# Altium PCB Srt.PcbDoc (part 1 of 2) (continued)
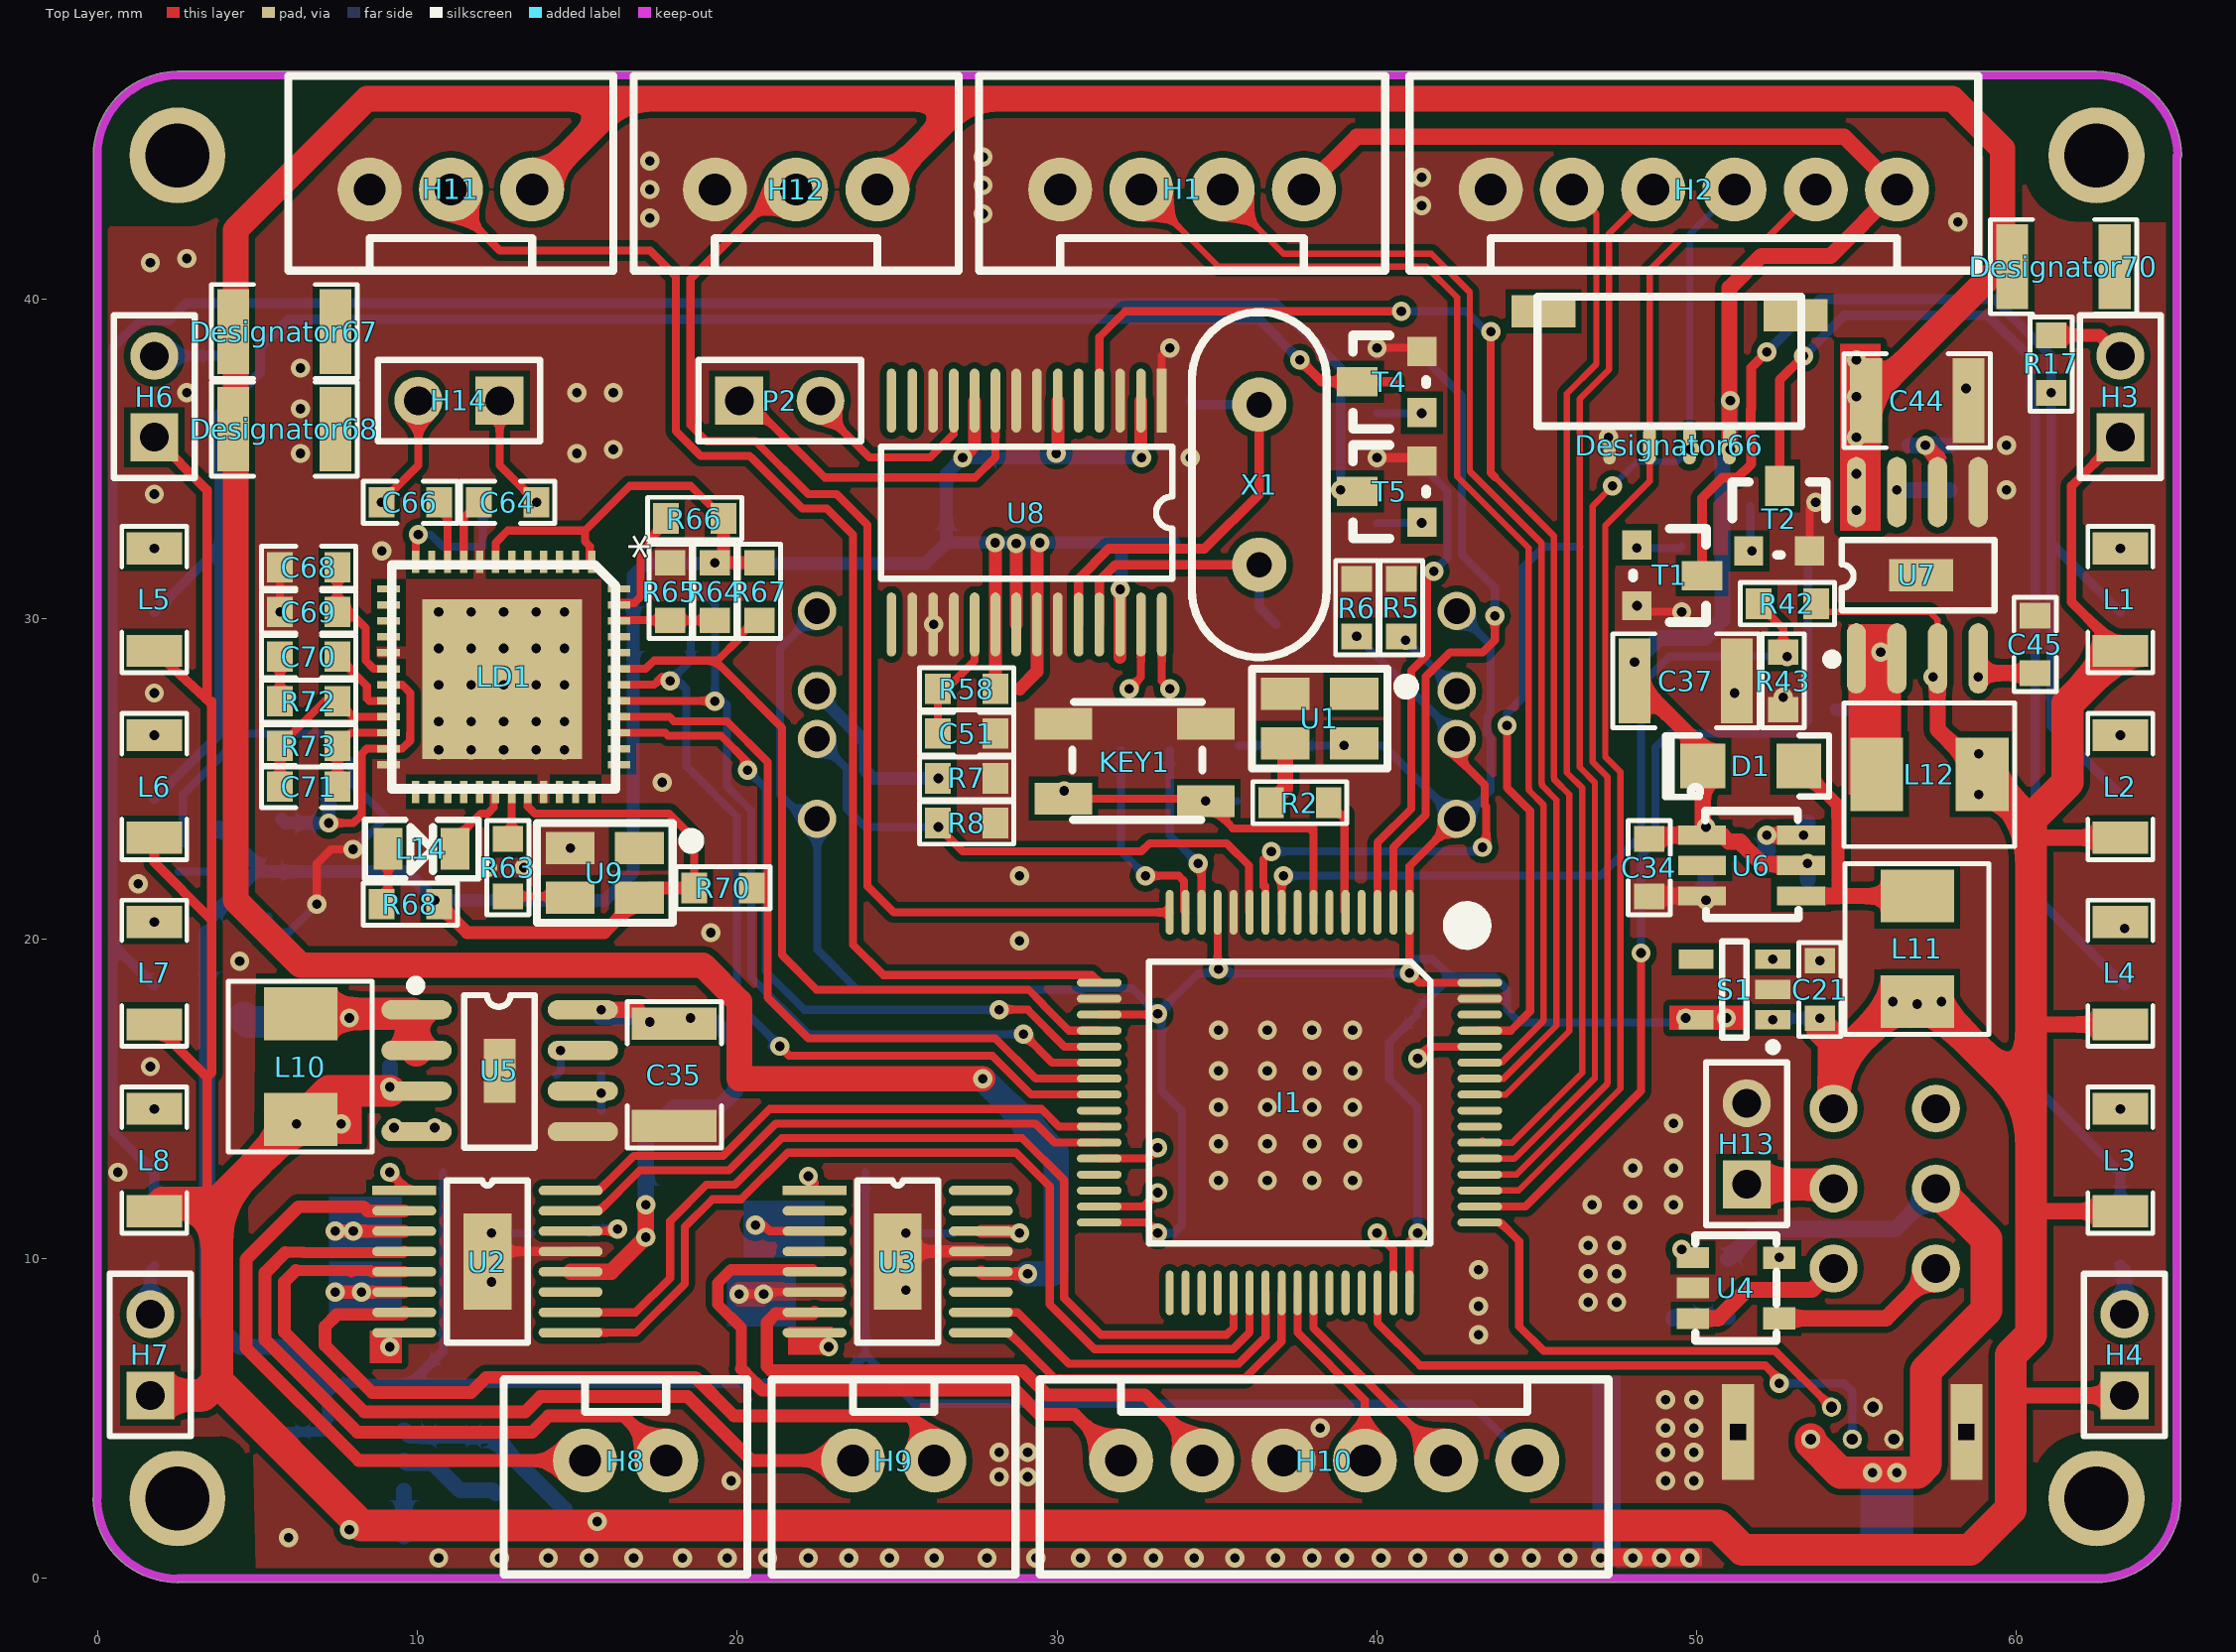
[diagram p0: Top Layer view]
## Components (designator, comment, footprint, x,y, rotation, side; value= is the part's Value field where it differs from the comment)
*1 "拨动开关2档" 拨档开关2x3立式 55.88,12.192 r90 bottom
C1 "106" C_0603 37.084,25.146 r90 bottom
C2 "104" C_0603 38.481,25.146 r90 bottom
C3 "104" C_0603 30.226,25.527 r90 bottom
C4 "104" C_0603 42.164,17.653 r180 bottom
C5 "104" C_0603 41.021,19.939 r270 bottom
C6 "104" C_0603 34.925,19.939 r270 bottom
C7 "104" C_0603 41.402,9.906 r90 bottom
C8 "104" C_0603 32.258,17.653 r0 bottom
C9 "104" C_0603 32.258,10.795 r0 bottom
C10 "2.2UF" C_0603 32.258,12.192 r0 bottom
C11 "2.2UF" C_0603 40.005,9.906 r90 bottom
C12 "2.2UF" C_0603 14.478,10.795 r180 bottom
C13 "106" C_0603 18.161,11.811 r0 bottom
C14 "106" C_0603 18.161,10.414 r0 bottom
C15 "2.2UF" C_0603 27.686,10.795 r180 bottom
C16 "106" C_0603 28.194,12.954 r180 bottom
C17 "106" C_0603 28.194,14.224 r180 bottom
C18 "106" C_0603 57.531,1.397 r180 bottom
C19 "106" C_0603 54.483,1.397 r0 bottom
C20 "106" C_0603 53.848,18.415 r270 bottom
C21 "106" C_0603 53.848,18.415 r270 top
C22 "106" C_0603 49.657,18.415 r270 bottom
C23 "104" C_0603 51.054,18.415 r270 bottom
C24 "106" C_0603 11.049,3.556 r90 bottom
C25 "106" C_0603 12.446,3.556 r90 bottom
C26 "106" C_0603 5.715,3.683 r90 bottom
C27 "104" C_0603 6.35,5.969 r0 bottom
C28 "103" C_0603 4.572,16.51 r270 bottom
C29 "106" C_0603 6.223,15.113 r270 bottom
C30 "106" C_0603 7.62,15.113 r270 bottom
C31 "106" C_0603 17.145,16.637 r90 bottom
C32 "106" C_0603 18.542,16.637 r90 bottom
C33 "100pf" C_0603 53.467,22.733 r270 bottom
C34 "106" C_0603 48.514,22.225 r90 top
C35 "100UF" C_1210 18.034,15.748 r90 top
C36 "100UF" C_1210 56.896,19.558 r270 bottom
C37 "100UF" C_1210 49.657,28.067 r180 top
C38 "106" C_0603 10.541,15.113 r270 bottom
C39 "103" C_0603 54.356,28.067 r90 bottom
C40 "106" C_0603 57.912,24.511 r0 bottom
C41 "106" C_0603 57.912,25.781 r0 bottom
C42 "106" C_0603 55.753,36.83 r180 bottom
C43 "106" C_0603 55.753,38.1 r180 bottom
C44 "100UF" C_1210 56.896,36.83 r180 top
C45 "106" C_0603 60.579,29.21 r270 top
C46 "47UF" C_1206 26.797,36.576 r270 bottom
C47 "104" C_0603 28.575,35.941 r270 bottom
C48 "104" C_0603 32.639,35.941 r270 bottom
C49 "104" C_0603 29.972,35.941 r270 bottom
C50 "104" C_0603 26.543,31.496 r90 bottom
C51 "104" C_0603 27.178,26.416 r180 top
C52 "47UF" C_1206 29.718,30.734 r90 bottom
C53 "104" C_0603 27.94,31.496 r90 bottom
C54 "47UF" C_1206 31.877,30.734 r90 bottom
C55 "104" C_0603 33.655,31.496 r90 bottom
C56 "20PF" C_0603 35.941,29.845 r180 bottom
C57 "20PF" C_0603 34.163,35.941 r270 bottom
C58 "106" C_0603 4.445,20.701 r180 bottom
C59 "104" C_0603 4.445,19.431 r180 bottom
C60 "104" C_0603 8.128,24.892 r180 bottom
C61 "104" C_0603 8.128,23.622 r180 bottom
C62 "106" C_0603 4.445,22.098 r0 bottom
C63 "106" C_0603 12.954,32.385 r0 bottom
C64 "105" C_0603 12.827,33.655 r0 top
C65 "104" C_0603 9.906,32.258 r180 bottom
C66 "105" C_0603 9.779,33.655 r180 top
C67 "104" C_0603 14.732,22.098 r270 bottom
C68 "106" C_0603 6.604,31.623 r0 top
C69 "104" C_0603 6.604,30.226 r0 top
C70 "104" C_0603 6.604,28.829 r0 top
C71 "220P" C_0603 6.604,24.765 r0 top
D1 "4148" 1206D 51.689,25.4 r180 top
Designator66 "Comment" GH1.25_AWB_4P 49.149,35.433 r0 top
Designator67 "Comment" C_1210 5.842,38.989 r0 top
Designator68 "Comment" C_1210 5.842,35.941 r0 top
Designator70 "Comment" C_1210 61.468,41.021 r0 top
H1 "XH2.54_4" H_XH2.54_4 33.909,43.434 r180 top
H2 "XH2.54_6" H_XH2.54_6 49.911,43.307 r180 top
H3 "H_Header_1X2" H_Header_1X2 63.246,35.687 r90 top
H4 "H_Header_1X2" H_Header_1X2 63.373,5.715 r90 top
H6 "H_Header_1X2" H_Header_1X2 1.778,35.687 r90 top
H7 "H_Header_1X2" H_Header_1X2 1.651,5.715 r90 top
H8 "XH2.54_2" H_XH2.54_2 16.51,3.175 r0 top
H9 "XH2.54_2" H_XH2.54_2 24.892,3.175 r0 top
H10 "XH2.54_6" H_XH2.54_6 38.354,3.81 r0 top
H11 "XH2.54_3" H_XH2.54_3 11.049,43.434 r180 top
H12 "XH2.54_3" H_XH2.54_3 21.844,43.434 r180 top
H13 "H_Header_1X2" H_Header_1X2 51.562,12.319 r90 top
H14 "H_Header_1X2" H_Header_1X2 12.573,36.83 r180 top
I1 "STM32F405RGT6" I_LQFP-64 41.021,20.828 r270 top
KEY1 "KEY" 按键_小四脚 32.512,25.527 r0 top
L1 "LED" C_1206 63.246,30.607 r90 top
L2 "LED" C_1206 63.246,24.765 r90 top
L3 "LED" C_1206 63.246,13.081 r90 top
L4 "LED" C_1206 63.246,18.923 r90 top
L5 "LED" C_1206 1.778,30.607 r90 top
L6 "LED" C_1206 1.778,24.765 r90 top
L7 "LED" C_1206 1.778,18.923 r90 top
L8 "LED" C_1206 1.778,13.081 r90 top
L9 "Y_LED_R" Y_LED_0805_R 49.323,9.078 r90 bottom
L10 "3.3UH" L_VISHAY_IHLP-1616 6.35,14.351 r90 top
L11 "10UH" L_VISHAY_IHLP-1616 56.896,18.034 r90 top
L12 "3.3UH" L_VISHAY_IHLP-1616 58.928,25.146 r180 top
L13 "L_贴片信号" L_0805 4.699,23.749 r180 bottom
L14 "Y_LED_R" Y_LED_0805_R 10.033,22.86 r0 top
LD1 "U?" QFN48 12.7,28.194 r270 top
P2 "Header 2" HDR1X2 20.066,36.83 r0 top
R1 "10K" R_0603 35.687,25.146 r270 bottom
R2 "22" R_0603 37.592,24.257 r0 top
R3 "10K" R_0603 42.164,16.256 r0 bottom
R4 "10K" R_0603 32.258,13.589 r180 bottom
R5 "510" R_0603 40.767,30.353 r270 top
R6 "20K" R_0603 39.37,30.353 r270 top
R7 "510" R_0603 27.178,25.019 r180 top
R8 "20K" R_0603 27.178,23.622 r180 top
R9 "200" R_0603 63.246,31.115 r90 bottom
R10 "200" R_0603 63.246,25.4 r90 bottom
R11 "200" R_0603 63.246,13.589 r90 bottom
R12 "200" R_0603 63.373,19.431 r90 bottom
R13 "200" R_0603 1.778,31.115 r90 bottom
R14 "200" R_0603 1.778,25.273 r90 bottom
R15 "200" R_0603 1.778,19.431 r90 bottom
R16 "200" R_0603 1.778,13.589 r90 bottom
R17 "4.7K" R_0603 61.087,37.973 r90 top
R18 "4.7K" R_0603 63.246,10.668 r270 bottom
R20 "4.7K" R_0603 3.81,37.338 r90 bottom
R21 "4.7K" R_0603 1.778,10.668 r270 bottom
R22 "1K" R_0603 47.244,32.258 r180 bottom
R23 "1K" R_0603 52.578,32.131 r0 bottom
R25 "1K" R_0603 41.402,37.338 r90 bottom
R26 "1K" R_0603 41.402,33.909 r90 bottom
R27 "10K" R_0603 49.53,31.369 r90 bottom
R28 "10K" R_0603 52.578,33.528 r180 bottom
R30 "10K" R_0603 40.005,37.338 r270 bottom
R31 "10K" R_0603 40.005,33.909 r270 bottom
R32 "10K" R_0603 9.906,12.7 r0 bottom
R33 "1" R_1206 10.668,11.049 r0 bottom
R34 "1" R_1206 10.668,9.017 r0 bottom
R35 "10K" R_0603 9.906,7.112 r0 bottom
R36 "10K" R_0603 23.114,12.7 r0 bottom
R37 "1" R_1206 23.876,10.922 r0 bottom
R38 "1" R_1206 23.876,8.763 r0 bottom
R39 "10K" R_0603 23.114,6.985 r0 bottom
R40 "2.25K" R_0603 52.498,9.078 r90 bottom
R41 "100" R_0603 50.974,9.078 r90 bottom
R42 "10K" R_0603 52.832,30.48 r180 top
R43 "10K" R_0603 52.705,28.067 r90 top
R44 "0" R_0603 52.451,18.415 r270 bottom
R45 "0" R_0603 8.636,1.27 r180 bottom
R46 "10K" R_0603 6.858,17.399 r180 bottom
R47 "90K" R_0603 15.748,16.637 r90 bottom
R48 "100K" R_0603 14.351,16.637 r90 bottom
R49 "10K" R_0603 9.144,15.113 r270 bottom
R50 "73K" R_0603 51.181,23.622 r180 bottom
R51 "10K" R_0603 15.748,13.716 r90 bottom
R52 "73K" R_0603 51.181,22.225 r0 bottom
R53 "10K" R_0603 55.753,28.067 r270 bottom
R54 "90K" R_0603 55.753,35.433 r180 bottom
R55 "100K" R_0603 58.801,34.036 r0 bottom
R56 "10K" R_0603 58.293,28.194 r0 bottom
R57 "10K" R_0603 58.801,35.433 r180 bottom
R58 "22" R_0603 27.178,27.813 r0 top
R59 "22" R_0603 33.528,26.797 r270 bottom
R60 "22" R_0603 32.131,26.797 r270 bottom
R61 "2K" R_0603 12.954,33.655 r180 bottom
R62 "2K" R_0603 9.906,33.655 r0 bottom
R63 "22" R_0603 12.827,22.225 r90 top
R64 "0" R_0603 19.304,30.861 r90 top
R65 "0" R_0603 17.907,30.861 r90 top
R66 "10K" R_0603 18.669,33.147 r180 top
R67 "10K" R_0603 20.701,30.861 r270 top
R68 "330" R_0603 9.779,21.082 r0 top
R69 "10K" R_0603 17.653,30.861 r0 bottom
R70 "10K" R_0603 19.558,21.59 r0 top
R71 "10K" R_0603 17.653,29.464 r0 bottom
R72 "15K" R_0603 6.604,27.432 r0 top
R73 "33K" R_0603 6.604,26.035 r180 top
S1 "TLV70233" S_SOT23-5_TLV70233 51.181,18.415 r180 top
S2 "TLV70233" S_SOT23-5_TLV70233 8.382,3.683 r180 bottom
ST1 "U?" ST188 42.5,27 r180 bottom
ST2 "U?" ST188 22.5,27 r180 bottom
T1 "NMOS" T_MOS_SOT-23 49.149,31.369 r270 top
T2 "NMOS" T_MOS_SOT-23 52.578,33.147 r0 top
T4 "NMOS" T_MOS_SOT-23 40.395,37.409 r90 top
T5 "NMOS" T_MOS_SOT-23 40.395,33.98 r90 top
U1 "I_XTAL_YY" I_XTAL_YYSMD_3.2X2.5 40.386,28.448 r180 top
U2 "DRV8833" SSOP16 12.192,9.906 r0 top
U3 "DRV8833" SSOP16 25.019,9.906 r0 top
U4 "LTC4054_4.2" PDSO_G5 51.228,9.078 r270 top
U5 "FP6276B" SOP8 12.573,15.875 r0 top
U6 "PT1301" PDSO_G6 50.165,23.241 r270 top
U7 "FP6276B" SOP8 56.896,31.369 r90 top
U8 "SYN6288" SSOP28 33.274,36.83 r270 top
U9 "I_XTAL_YY" I_XTAL_YYSMD_3.2X2.5 18.034,23.622 r180 top
USB1 "USB" micro-USB(立式直插） 54.864,4.572 r0 bottom
X1 "xtal" XTAL_DIP 36.322,36.703 r90 top

## Footprints (in the part's own frame and the unit in brackets; to place one, negate y for a bottom-side part, rotate by r counter-clockwise, add the part's x,y. Pads: shape width x height; smd on the part's side, far side on the other; paste and mask are expansions set on the pad)
1206D [mm]
  rect 1.4x1.4 smd: 1(-1.5,0) 2(1.5,0)
  silkscreen extent -2.45,-0.95 2.68,0.96, body extent -1.48,-0.82 1.6,0.82, height 1.3
C_0603 [mm] "贴片无极性电容0603封装"
  rect 0.8x0.95 smd: 1(-0.9,0) 2(0.9,0)
  silkscreen extent -1.47,-0.66 1.47,0.66, body extent -1.29,-0.52 1.31,0.48, height 0.89
C_1206 [mm] "贴片无极性电容1206封装"
  rect 1x1.75 smd: 1(-1.6,0) 2(1.6,0)
  silkscreen extent -2.29,-1.02 2.29,1.02, body extent -2.1,-0.89 2.1,0.91, height 0.95
C_1210 [mm] "贴片无极性电容1210封装"
  rect 1x2.65 smd: 1(-1.6,0) 2(1.6,0)
  silkscreen extent -2.29,-1.47 2.29,1.47, body extent -2.1,-0.89 2.1,0.91, height 0.95
GH1.25_AWB_4P [mm]
  oval 0.4x1.2 smd: 1(-1.875,0) 2(-0.625,0) 3(0.625,0) 4(1.875,0)
  silkscreen extent -4.13,0.6 4.13,4.65, body extent -3.39,-0.03 3.36,3.67, height 4.32
H_Header_1X2 [mm] "单排2针排针"
  rect 1.5x1.5 hole 0.9: 1(0,0)
  round 1.5 hole 0.9: 2(2.54,0)
  silkscreen extent -1.27,-1.27 3.81,1.27
H_XH2.54_2 [mm]
  round 2 hole 1: 1(-1.27,0.508) 2(1.27,0.508)
  silkscreen extent -3.81,-3.05 3.81,3.05
H_XH2.54_3 [mm]
  round 2 hole 1: 1(-2.54,0) 2(0,0) 3(2.54,0)
  silkscreen extent -5.08,-3.56 5.08,2.54
H_XH2.54_4 [mm]
  round 2 hole 1: 1(-3.81,0) 2(-1.27,0) 3(1.27,0) 4(3.81,0)
  silkscreen extent -6.35,-3.56 6.35,2.54
H_XH2.54_6 [mm]
  round 2 hole 1: 1(-6.35,-0.127) 2(-3.81,-0.127) 3(-1.27,-0.127) 4(1.27,-0.127) 5(3.81,-0.127) 6(6.35,-0.127)
  silkscreen extent -8.89,-3.68 8.89,2.41
HDR1X2 [mm] "Connector; Header; 2 Position"
  rect 1.5x1.5 hole 0.9: 1(0,0)
  round 1.5 hole 0.9: 2(2.54,0)
  silkscreen extent -1.27,-1.27 3.81,1.27
I_LQFP-64 [mm]
  oval 1.4x0.25 smd: 1(0,0) 2(0,-0.5) 3(0,-1) 4(0,-1.5) 5(0,-2) 6(0,-2.5) 7(0,-3) 8(0,-3.5) 9(0,-4) 10(0,-4.5) 11(0,-5) 12(0,-5.5) 13(0,-6) 14(0,-6.5) 15(0,-7) 16(0,-7.5) 34(11.9,-7) 35(11.9,-6.5) 36(11.9,-6) 37(11.9,-5.5) 38(11.9,-5) 39(11.9,-4.5) 40(11.9,-4) 41(11.9,-3.5) 42(11.9,-3) 43(11.9,-2.5) 44(11.9,-2) 45(11.9,-1.5) 46(11.9,-1) 47(11.9,-0.5) 48(11.9,0)
  oval 0.25x1.4 smd: 17(2.2,-9.7) 18(2.7,-9.7) 19(3.2,-9.7) 20(3.7,-9.7) 21(4.2,-9.7) 22(4.7,-9.7) 23(5.2,-9.7) 24(5.7,-9.7) 25(6.2,-9.7) 26(6.7,-9.7) 27(7.2,-9.7) 28(7.7,-9.7) 29(8.2,-9.7) 30(8.7,-9.7) 31(9.2,-9.7) 32(9.7,-9.7) 49(9.7,2.2) 50(9.2,2.2) 51(8.7,2.2) 52(8.2,2.2) 53(7.7,2.2) 54(7.2,2.2) 55(6.7,2.2) 56(6.2,2.2) 57(5.7,2.2) 58(5.2,2.2) 59(4.7,2.2) 60(4.2,2.2) 61(3.7,2.2) 62(3.2,2.2) 63(2.7,2.2) 64(2.2,2.2)
  oval 1.4x0.25 smd paste+0: 33(11.9,-7.5)
  silkscreen extent 0.03,-8.15 10.35,2.18, body extent -0.05,-9.73 11.95,2.27, height 1.6
I_XTAL_YYSMD_3.2X2.5 [mil] "3.2X2.5mm贴片有源晶振"
  rect 60x40 smd: 1(43,31) 2(128,31) 3(128,92) 4(43,92)
  silkscreen extent -29,0 169,123, body extent 23,13 149,111, height 22
L_0805 [mm] "贴片电感0805封装"
  rect 0.9x1.3 smd: 1(-1.05,0) 2(1.05,0)
  silkscreen extent -1.78,-0.91 1.78,0.91, body extent -1,-0.48 1,0.47, height 1.18
L_VISHAY_IHLP-1616 [mm] "VISHAY大电流电感IHLP1616"
  rect 1.65x2.3 smd: 1(0,0) 2(3.302,0)
  silkscreen extent -1.02,-2.24 4.32,2.26, body extent -0.79,-2.16 4.08,2.19, height 1.95
micro-USB(立式直插） [mm]
  round 0.6 hole 0.35: 1(-1.3,0.22) 2(-0.65,-0.78) 3(0,0.22) 4(0.65,-0.78) 5(1.3,0.22)
  rect 1x3 hole 0.5 square: 6(-3.57,0) 6(3.57,0)
  silkscreen extent -3.58,-1.96 3.51,2.08
PDSO_G5 [mm]
  rect 0.65x1 smd: 1(-0.95,-1.35) 2(0,-1.35) 3(0.95,-1.35)
  rect 0.7x1 smd: 4(0.95,1.35) 5(-0.95,1.35)
  silkscreen extent -1.65,-1.27 1.65,1.27, body extent -1.5,-1.39 1.5,1.7, height 1.52
PDSO_G6 [mm]
  rect 0.6x1.5 smd: 1(0,0) 2(0.95,0) 3(1.9,0) 4(1.9,3.1) 5(0.95,3.1) 6(0,3.1)
  silkscreen extent -1.52,-0.35 2.59,3.02
QFN48 [mm]
  rect 0.7x0.23 smd: 1(-3.6,2.75) 2(-3.6,2.25) 3(-3.6,1.75) 4(-3.6,1.25) 5(-3.6,0.75) 6(-3.6,0.25) 7(-3.6,-0.25) 8(-3.6,-0.75) 9(-3.6,-1.25) 10(-3.6,-1.753) 11(-3.6,-2.25) 12(-3.6,-2.75) 25(3.6,-2.75) 26(3.6,-2.25) 27(3.6,-1.75) 28(3.6,-1.25) 29(3.6,-0.75) 30(3.6,-0.25) 31(3.6,0.25) 32(3.6,0.75) 33(3.6,1.25) 34(3.6,1.75) 35(3.6,2.25) 36(3.6,2.75)
  rect 0.23x0.7 smd: 13(-2.75,-3.6) 14(-2.25,-3.6) 15(-1.75,-3.6) 16(-1.25,-3.6) 17(-0.75,-3.6) 18(-0.25,-3.6) 19(0.25,-3.6) 20(0.75,-3.6) 21(1.25,-3.6) 22(1.75,-3.6) 23(2.25,-3.6) 24(2.75,-3.6) 37(2.75,3.6) 38(2.25,3.6) 39(1.75,3.6) 40(1.25,3.6) 41(0.75,3.6) 42(0.25,3.6) 43(-0.25,3.6) 44(-0.75,3.6) 45(-1.25,3.6) 46(-1.75,3.6) 47(-2.25,3.6) 48(-2.75,3.6)
  rect 5x5 smd: 49(0.076,-0.051)
  silkscreen extent -3.5,-3.5 3.5,3.5
R_0603 [mm] "贴片电阻0603封装"
  rect 0.8x0.95 smd: 1(-0.9,0) 2(0.9,0)
  silkscreen extent -1.47,-0.66 1.47,0.66, body extent -0.85,-0.4 0.85,0.4, height 0.53
R_1206 [mm] "贴片电阻1206封装"
  rect 1x1.75 smd: 1(-1.6,0) 2(1.6,0)
  silkscreen extent -2.26,-1.04 2.26,1.04, body extent -1.67,-0.86 1.68,0.87, height 0.82
S_SOT23-5_TLV70233 [mm] "小体积LDO"
  rect 1.1x0.6 smd: 1(-1.2,0.95) 2(-1.2,0) 3(-1.2,-0.95) 4(1.2,-0.95) 5(1.2,0.95)
  silkscreen extent -1.33,-1.5 0.38,1.92, body extent -1.41,-1.48 1.41,1.42, height 1.45
SOP8 [mm]
  oval 2.2x0.6 smd: 1(-2.6,1.905) 2(-2.6,0.635) 3(-2.6,-0.635) 4(-2.6,-1.905) 5(2.6,-1.905) 6(2.6,-0.635) 7(2.6,0.635) 8(2.6,1.905)
  silkscreen extent -2.78,-2.41 1.1,2.82, body extent -2.93,-2.54 3.11,2.48, height 1.6
SSOP16 [mm]
  rect 2x0.3 smd: 1(-2.6,2.222)
  oval 2x0.3 smd: 2(-2.6,1.587) 3(-2.6,0.953) 4(-2.6,0.318) 5(-2.6,-0.318) 6(-2.6,-0.953) 7(-2.6,-1.587) 8(-2.6,-2.222) 9(2.6,-2.222) 10(2.6,-1.587) 11(2.6,-0.953) 12(2.6,-0.318) 13(2.6,0.318) 14(2.6,0.953) 15(2.6,1.587) 16(2.6,2.222)
  rect 1.5x3 smd: 18(0,0)
  silkscreen extent -1.27,-2.54 1.27,2.54
SSOP28 [mm]
  rect 2x0.3 smd: 1(0,0)
  oval 2x0.3 smd: 2(0,-0.65) 3(0,-1.3) 4(0,-1.95) 5(0,-2.6) 6(0,-3.25) 7(0,-3.9) 8(0,-4.55) 9(0,-5.2) 10(0,-5.85) 11(0,-6.5) 12(0,-7.15) 13(0,-7.8) 14(0,-8.45) 15(7,-8.45) 16(7,-7.8) 17(7,-7.15) 18(7,-6.5) 19(7,-5.85) 20(7,-5.2) 21(7,-4.55) 22(7,-3.9) 23(7,-3.25) 24(7,-2.6) 25(7,-1.95) 26(7,-1.3) 27(7,-0.65) 28(7,0)
  silkscreen extent 1.45,-8.78 5.56,0.33
ST188 [mm]
  round 1.2 hole 0.8: 1(0,3.25) 2(0,0.75) 3(0,-0.75) 4(0,-3.25)
  silkscreen extent -3,-4.5 3,4.5
T_MOS_SOT-23 [mil] "贴片MOS的SOT-23封装"
  rect 36x36 smd: 1(-37.5,-40) 2(37.5,-40)
  rect 36x50 smd: 3(0.5,40)
  silkscreen extent -58,-45 58,45, body extent -60,-51 58,47, height 43
XTAL_DIP [mm]
  round 1.7 hole 0.8: 1(0,0) 2(-5.004,0)
  silkscreen extent -7.9,-2.11 2.89,2.11
Y_LED_0805_R [mm] "红色贴片0805LED"
  rect 0.9x1.3 smd: 1(-0.948,-0.051) 2(1.152,-0.051)
  silkscreen extent -1.68,-0.97 1.88,0.86, body extent -0.91,-0.7 1.11,0.55, height 1.1
拨档开关2x3立式 [mm]
  round 1.5 hole 0.9: 1(0,1.6) 2(-2.5,1.6) 3(2.5,1.6) 4(0,-1.6) 5(-2.5,-1.6) 6(2.5,-1.6)
  silkscreen extent -4.5,-1.75 4.5,1.75
按键_小四脚 [mm]
  rect 1.8x1 smd: 1(-2.311,1.194) 1(2.134,1.194) 2(-2.311,-1.143) 2(2.134,-1.219)
  silkscreen extent -2.03,-1.8 2.03,1.88, body extent -2,-1.5 2,1.5, height 2.5

## Part data
C1 C2 C3 C4 C5 C6 C7 C8 C9 C10 C11 C12 C13 C14 C15 C16 C17 C18 C19 C20 C21 C22 C23 C24 C25 C26 C27 C28 C29 C30 C31 C32 C33 C34 C35 C36 C37 C38 C39 C40 C41 C42 C43 C44 C45 C46 C47 C48 C49 C50 C51 C52 C53 C54 C55 C56 C57 C58 C59 C60 C61 C62 C63 C64 C65 C66 C67 C68 C69 C70 C71: library part C_无极贴片, "无极性贴片电容"
D1: library part "diode 4148"
H1: library part H_XH2.54_4, "4脚小白头"
H2 H10: library part H_XH2.54_6, "6脚小白头"
H3 H4 H6 H7 H13 H14: "单排2针排针"
H8 H9: library part H_XH2.54_2, "2脚小白头"
H11 H12: library part H_XH2.54_3, "3脚小白头"
I1: library part I_STM32F405RGT6, "LQFP-64"
KEY1: library part 按键
L1 L2 L3 L4 L5 L6 L7 L8: library part Y_LED_G, "绿色LED"
L9 L14: "红色LED"
L10 L11 L12: library part L_贴片功率, "贴片屏蔽式功率电感"
L13: "贴片信号电感"
LD1: library part LD3320
P2: "Header, 2-Pin"
R1 R2 R3 R4 R5 R6 R7 R8 R9 R10 R11 R12 R13 R14 R15 R16 R17 R18 R20 R21 R22 R23 R25 R26 R27 R28 R30 R31 R32 R33 R34 R35 R36 R37 R38 R39 R40 R41 R42 R43 R44 R45 R46 R47 R48 R49 R50 R51 R52 R53 R54 R55 R56 R57 R58 R59 R60 R61 R62 R63 R64 R65 R66 R67 R68 R69 R70 R71 R72 R73: library part R_贴片, "贴片电阻"
S1 S2: library part S_TLV70233, "小封装LDO"
ST1 ST2: library part ST188
T1 T2 T4 T5: library part T_MOSFET_N, "N沟道MOS管"
U1 U9: "有源晶振"
U5 U7: library part FP6267B

## Free pads (board coordinates)
  round 3 hole 2: 0(2.5,44.5) 0(62.5,44.5) 1(2.5,2.5) 1(62.5,2.5)
  rect 1x2 smd: 0(12.573,15.875)
  rect 2x1 smd: 0(45.212,39.624) 1(53.086,39.497) 1(57.023,31.369)

## Via types
v1: diameter 0.6, hole 0.3, Top Layer to Bottom Layer, 293 vias

## Nets (pads, with @x,y where several pads share a name; then routed paths per layer and width w, separated by ;. In a path a pad name is that pad's centre, name@x,y a point inside that pad or via, vN(x,y) a via of type N, cw(c..) or ccw(c..) an arc to the next point about the centre after c; other vN are vias at no path point)
3V3_1: C1.2 C2.2 C4.2 C5.2 C6.2 C7.2 C8.2 C9.2 C22.2 C23.2 I1.1 I1.13 I1.19 I1.32 I1.48 I1.64 R1.1 S1.5 ST1.1 ST1.4 ST2.1 ST2.4 U1.4 | length 90.7
  Top Layer w0.25: I1.32@31.321,11.128 32.814,11.128 v1(33.147,10.795) ; I1.19@31.321,17.628 33.122,17.628 v1(33.147,17.653) ; I1.13@35.021,20.828 35.021,19.081 v1(35.052,19.05) ; I1.48@41.021,8.928 41.021,10.541 v1(41.275,10.795) ; ST1.4@42.5,23.75 41.021,22.271 I1.1@41.021,20.828 v1(41.021,18.923) 41.316,18.628 I1.64@43.221,18.628
  Bottom Layer w0.25: ST2.1@22.5,30.25 21.336,29.086 21.336,24.511 22.097,23.75 ST2.4@22.5,23.75 22.5,19.664 23.749,18.415 30.785,18.415 30.823,18.453 32.347,18.453 v1(33.147,17.653) ; v1(33.147,10.795) C9.2@33.158,10.795 33.655,10.795 33.909,11.049 33.909,14.605 33.274,15.24 C8.2@33.274,17.653 ; C8.2@33.274,17.78 34.417,18.923 v1(41.021,18.923) ; R1.1@35.687,26.046 C2.2@38.481,26.046 v1(38.978,26.046) 40.204,26.046 ST1.4@42.5,23.75 42.673,23.75 43.561,24.638 43.561,26.294 43.444,26.411 43.444,26.929 43.561,27.046 43.561,29.189 ST1.1@42.5,30.25 ST1.1@42.5,29.8 ; C5.2@41.021,19.364 41.747,19.364 42.303,18.808 ; v1(41.275,10.795) 41.275,14.732 40.386,15.621 40.386,16.764 41.264,17.642 C4.2@41.264,17.653 41.264,17.769 42.303,18.808 ; v1(50.927,17.526) 50.789,17.388 44.461,17.388 44.069,17.78 44.069,18.415 43.676,18.808 42.303,18.808
  other v1: 49.657,17.526
3V3_2: C26.2 C27.2 C46.2 C47.2 C48.2 C49.2 C50.2 C52.2 C53.2 C54.2 C55.2 C58.2 C59.2 C62.2 C67.2 H10.6 L13.2 LD1.1 LD1.7 LD1.32 R32.2 R35.2 R36.2 R39.2 R58.2 R64.2 R66.1 R67.1 R68.2 R69.1 R70.1 R71.1 S2.5 U8.2 U8.6 U8.10 U8.20 U8.21 U8.22 U8.26 U9.4 | length 173
  Top Layer w0.254: LD1.7@12.45,31.794 12.45,32.389 12.827,32.766 15.24,32.766 ; LD1.32@13.45,24.594 13.45,24.142 13.675,23.917 17.866,23.917 18.658,23.125 R70.1@18.658,21.59 ; LD1.1@15.45,31.794 15.392,31.852 15.392,32.279 15.24,32.431 15.24,32.766 ; R66.1@19.569,33.147 18.553,34.163 16.637,34.163 15.24,32.766
  Top Layer w0.4: v1(10.541,21.209) 11.557,20.193 15.85,20.193 U9.4@16.942,21.285 17.247,21.59 R70.1@18.658,21.59 ; R66.1@19.569,33.147 19.569,32.026 v1(19.304,31.761) R67.1@20.701,31.761 ; v1(27.051,35.052) 27.424,35.425 U8.10@27.424,36.83 ; v1(28.067,32.385) 28.074,32.378 U8.20@28.074,29.83 28.074,27.817 R58.2@28.078,27.813 ; U8.21@28.724,29.83 v1(28.724,32.363) ; 28.829,27.813 29.374,28.358 U8.22@29.374,29.83 29.374,32.295 v1(29.464,32.385) ; v1(29.972,35.179) 30.024,35.231 U8.6@30.024,36.83 ; 31.974,28.799 U8.26@31.974,29.83 v1(31.974,30.928) ; U8.2@32.624,36.83 32.624,35.067 v1(32.639,35.052)
  Bottom Layer w0.25: R35.2@10.806,7.112 R32.2@10.806,12.7 ; R39.2@24.014,6.985 R36.2@24.014,12.7
  Bottom Layer w0.254: R39.2@24.014,6.985 25.538,5.461 42.926,5.461 H10.6@44.704,3.683
  Bottom Layer w0.3: C26.2@5.715,4.583 S2.5@7.132,4.583 ; S2.5@7.182,4.633 7.182,5.901 C27.2@7.25,5.969 7.377,6.096 9.79,6.096 ; R35.2@10.806,7.112 9.79,6.096 ; R39.2@24.014,6.985 23.125,6.096 9.79,6.096
  Bottom Layer w0.4: C58.2@3.545,20.701 3.589,20.701 4.345,21.457 4.345,21.501 4.942,22.098 5.207,22.098 L13.2@3.81,23.495 ; C62.2@5.345,22.098 9.652,22.098 v1(10.541,21.209) C67.2@14.721,21.209 ; C67.2@14.732,21.198 15.864,21.198 16.753,22.087 R71.1@16.753,29.464 R69.1@16.753,30.861 16.753,31.358 17.131,31.736 25.883,31.736 C50.2@26.543,32.396 ; C53.2@27.94,32.396 C50.2@26.543,32.396 ; C53.2@28.067,32.396 C52.2@29.464,32.396 ; C52.2@29.718,32.396 C55.2@33.655,32.396 ; C54.2@31.877,32.334 32.012,32.199 32.012,30.966 v1(31.974,30.928) ; C48.2@32.639,35.041 C49.2@29.972,35.041 C47.2@28.575,35.041 27.04,35.041 26.543,34.544 C50.2@26.543,32.396
  Bottom Layer w0.5: 3.429,20.193 3.429,8.255 4.445,7.239 5.98,7.239 C27.2@7.25,5.969
5V_2: C33.2 C34.2 C37.2 D1.2 Designator66.4 H1.1 H2.1 R50.2 U6.1 U6.5 | length 53.4
  Top Layer w0.5: H1.1@37.719,43.434 39.37,45.085 54.61,45.085 H2.1@56.261,43.434 54.187,41.36 52.028,41.36 51.024,40.356 Designator66.4@51.024,35.433 ; v1(48.057,28.651) C37.2@48.057,28.067 50.189,25.935 D1.2@50.189,25.4 50.189,23.598 v1(50.292,23.495) ; C34.2@48.514,23.241 U6.1@50.165,23.241 ; U6.1@50.292,23.241 50.8,23.241 51,23.041 51.365,23.041 51.447,22.959 51.447,22.93 51.886,22.491 51.915,22.491 52.054,22.352 v1(53.467,22.352)
  Bottom Layer w0.5: v1(48.057,28.651) 48.81,29.404 50.232,29.404 50.8,29.972 50.8,35.052 v1(51.054,35.306) v1(51.054,36.83) ; C33.2@53.467,21.833 v1(53.467,22.352)
AOUT1: H8.1 U2.2 | length 20.5
  Top Layer w0.4: U2.2@9.592,11.493 8.445,11.493 8.317,11.622 6.288,11.622 4.642,9.976 4.642,7.209 8.168,3.683 H8.1@15.24,3.683
AOUT2: H8.2 U2.4 | length 21.3
  Top Layer w0.35: 5.866,10.184 5.941,10.184 5.961,10.204 6.438,10.204 6.458,10.184 9.552,10.184 U2.4@9.592,10.223
  Top Layer w0.4: 5.866,10.184 5.242,9.56 5.242,7.458 8.128,4.572 13.589,4.572 14.1,5.083 16.45,5.083 17.78,3.753 H8.2@17.78,3.683
BN0: P2.2 U8.11 | length 6.9
  Top Layer w0.25: P2.2@22.606,36.322 P2.2@22.606,36.83 22.606,36.576 24.13,35.052 26.035,35.052 26.774,35.791 U8.11@26.774,36.83
BOOT0: I1.60 R3.1 | length 2.1
  Top Layer w0.25: v1(41.275,16.256) 41.647,16.628 I1.60@43.221,16.628
BOOT1: I1.28 R4.1 | length 2
  Top Layer w0.25: I1.28@31.321,13.128 32.813,13.128 v1(33.147,13.462)
BOUT1: H9.2 U2.7 | length 24.6
  Top Layer w0.4: U2.7@9.592,8.319 9.527,8.254 7.492,8.254 7.112,7.874 7.112,7.285 8.59,5.807 11.684,5.807 12.16,6.283 18.696,6.283 19.896,5.083 25.397,5.083 26.162,4.318 H9.2@26.162,3.683
BOUT2: H9.1 U2.5 | length 25.4
  Top Layer w0.35: 6.199,9.628 7.9,9.628 7.938,9.591 7.975,9.628 8.535,9.628 8.575,9.588 U2.5@9.592,9.588
  Top Layer w0.4: 6.199,9.628 5.842,9.271 5.842,7.707 8.342,5.207 13.375,5.207 13.851,5.683 18.447,5.683 20.447,3.683 H9.1@23.622,3.683
BP0: P2.1 U8.9 | length 11
  Top Layer w0.25: P2.1@20.066,36.83 20.33,36.83 22.733,34.427 27.442,34.427 28.074,35.059 U8.9@28.074,36.83
BUSY: I1.57 U8.4 | length 41.3
  Top Layer w0.2: I1.57@43.221,15.128 44.028,15.128 46.017,17.117 46.017,24.511 45.558,24.97 45.558,25.017 45.542,25.033 45.542,32.59 43.688,34.444
  Top Layer w0.254: U8.4@31.324,36.83 31.324,38.817 32.131,39.624 v1(40.767,39.624) ; v1(43.561,38.989) 43.561,34.571 43.688,34.444
  Bottom Layer w0.254: v1(40.767,39.624) 42.799,39.624 43.434,38.989 v1(43.561,38.989)
COUT1: U3.2
COUT2: U3.4
DOUT1: H10.2 U3.7 | length 18
  Top Layer w0.4: U3.7@22.419,8.319 22.374,8.274 21.202,8.274 20.929,8.001 20.929,6.63 21.067,6.492 28.937,6.492 29.698,5.731 32.75,5.731 34.544,3.937 H10.2@34.544,3.683
DOUT2: H10.1 U3.5 | length 19.8
  Top Layer w0.35: 20.128,6.554 20.128,7.833 19.391,8.57 19.391,9.231 19.808,9.648 U3.5@22.359,9.648
  Top Layer w0.4: 20.128,6.554 20.256,6.425 20.256,6.413 20.778,5.892 28.688,5.892 29.449,5.131 30.556,5.131 H10.1@32.004,3.683
  Top Layer w0.5: H10.1@31.369,3.683 H10.1@32.004,3.683
EQ1: C70.2 LD1.20 | length 2.4
  Top Layer w0.25: C70.2@7.504,28.829 8.425,27.908 8.425,27.516 8.497,27.444 LD1.20@9.1,27.444
EQ2: C71.1 LD1.21 R72.2 R73.2 | length 5.4
  Top Layer w0.25: C71.1@5.704,24.765 R73.2@5.704,26.035 7.101,27.432 R72.2@7.504,27.432 7.992,26.944 LD1.21@9.1,26.944
EQ3: C71.2 LD1.22 R73.1 | length 3
  Top Layer w0.25: C71.2@7.504,24.765 R73.1@7.504,26.035 7.913,26.444 LD1.22@9.1,26.444